# Altium PCB HW_PROCESSOR_BOARD_R1.PcbDoc (part 2 of 2)
Units mm, origin at the board's own origin, x right, y up, seen from the top; angles counter-clockwise.
Board outline 100 x 50 mm, 6 copper layers (Top Layer, Layer 1, Layer 2, Layer 3, Layer 4, Bottom Layer), stack 2.012 mm thick; 151 components, 129 nets, 623 pads, 281 vias.
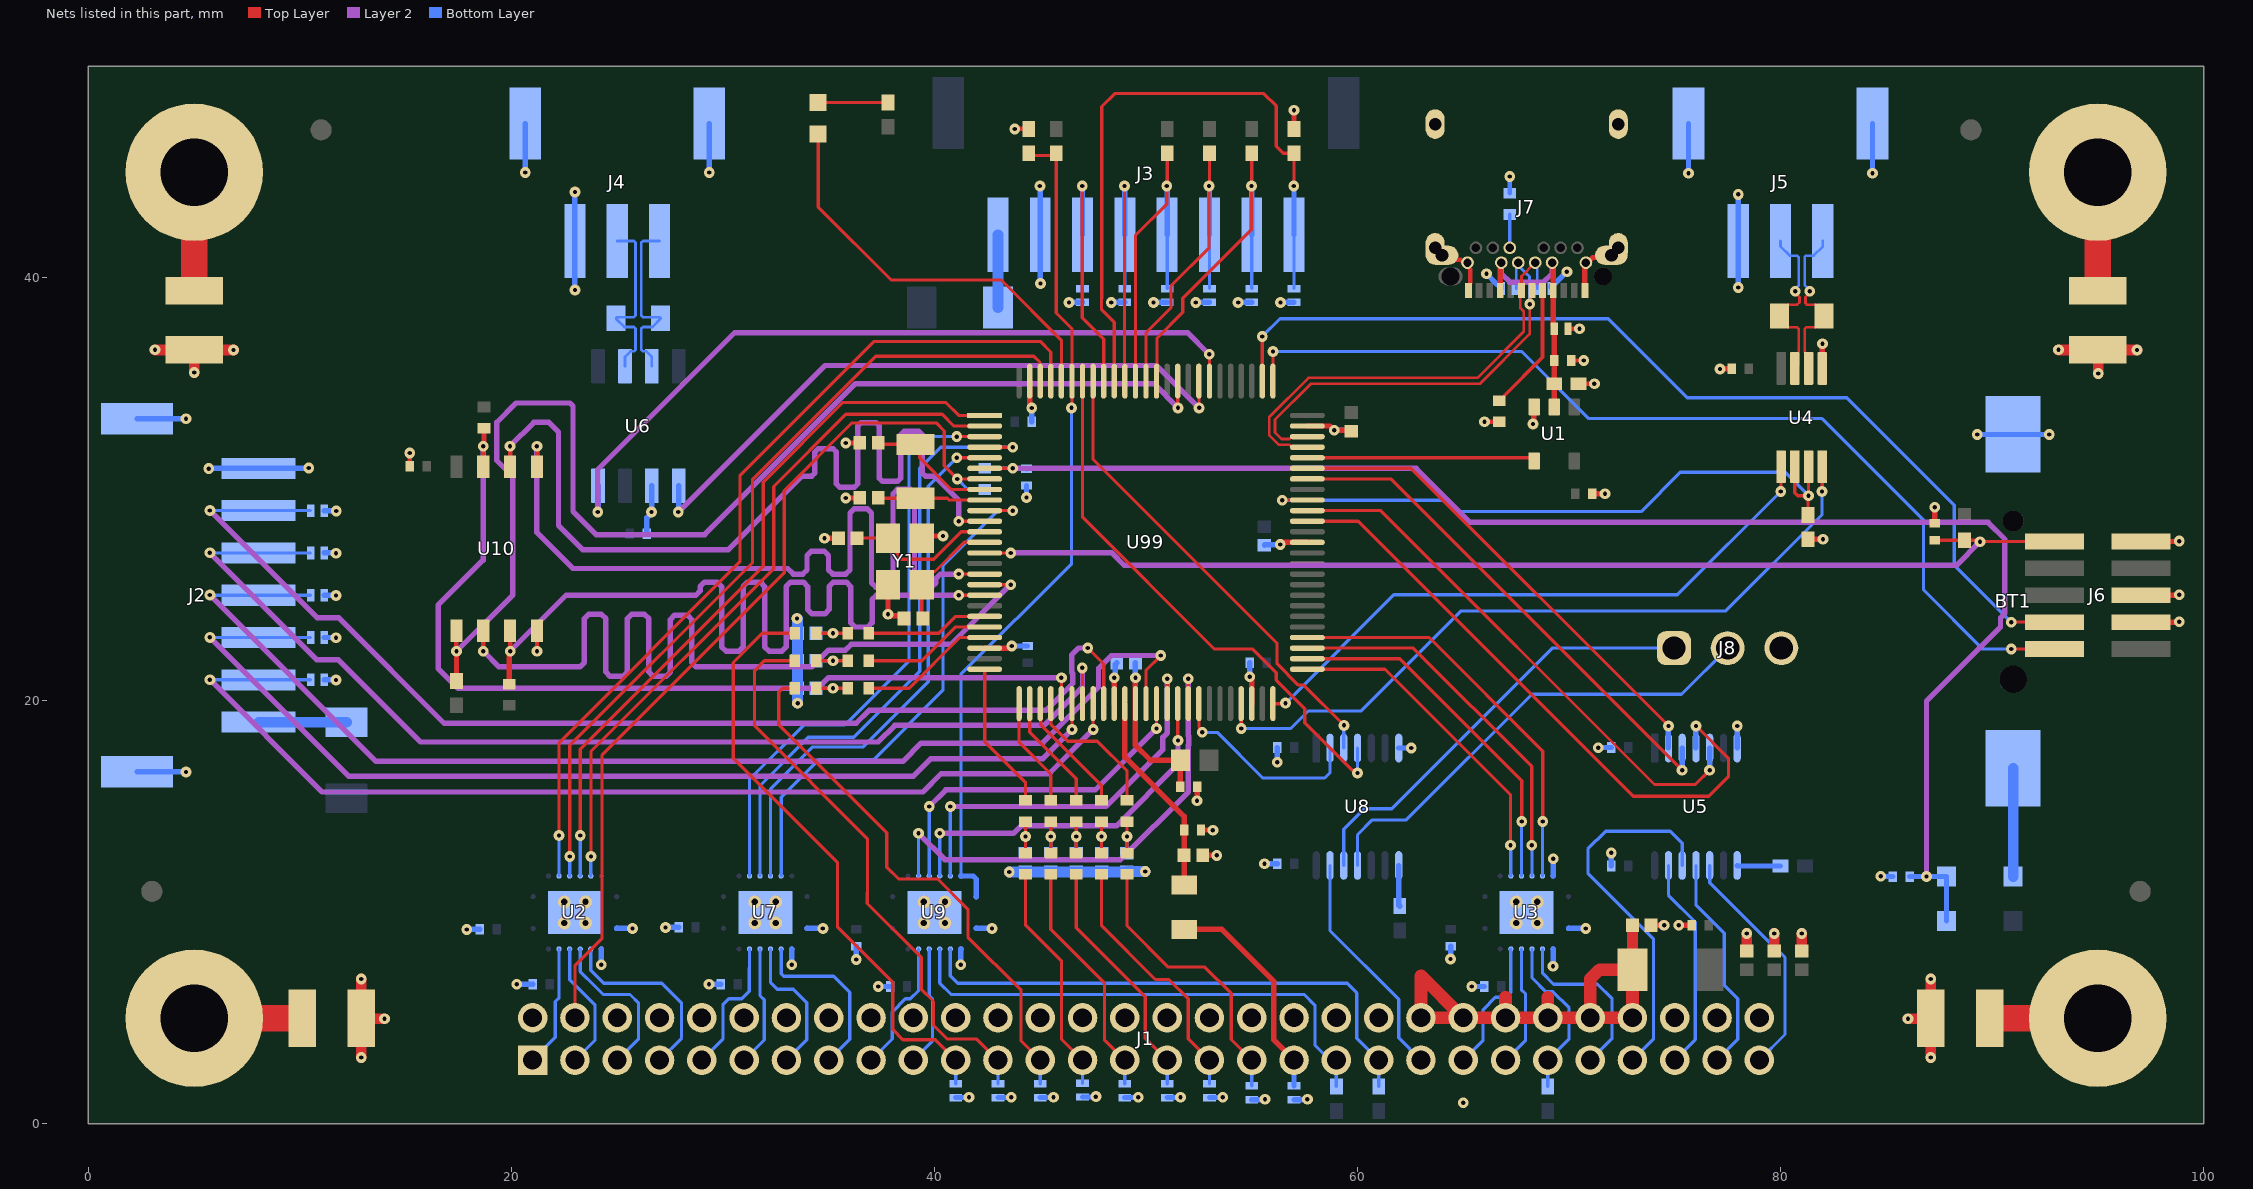
[diagram p6: the nets of this part, all layers, seen from the top]

## Via types
v1: diameter 0.508, hole 0.203, Top Layer to Bottom Layer, tented both sides, 265 vias
v2: diameter 0.6, hole 0.3, Top Layer to Bottom Layer, 16 vias

## Nets (pads, with @x,y where several pads share a name; then routed paths per layer and width w, separated by ;. In a path a pad name is that pad's centre, name@x,y a point inside that pad or via, vN(x,y) a via of type N, cw(c..) or ccw(c..) an arc to the next point about the centre after c; other vN are vias at no path point) (continued)
ADC_IN_1: D14.2 J1.21 R13.1 | length 28.7
  Top Layer w0.152: R13.1@33.4,23.2 31.861,23.2 30.48,21.819 30.48,17.297 35.408,12.37 35.408,9.326 38.024,6.71 38.024,4.47 38.506,3.988 40.031,3.988 J1.21@41,3.019
  Bottom Layer w0.152: D14.2@41,1.9 J1.21@41,3.019
ADC_IN_1_uC: R14.2 U99.20 | length 5.8
  Top Layer w0.152: R14.2@36.9,23.2 40.2,23.2 41,24 U99.20@42.375,24
ADC_IN_2: D15.2 J1.23 R15.1 | length 27.2
  Top Layer w0.152: R15.1@33.4,21.9 31.958,21.9 31.496,21.438 31.496,18.821 36.83,13.487 36.83,10.954 36.82,10.944 36.82,10.424 39.37,7.874 39.37,6.375 39.954,5.791 39.954,4.674 40.615,4.013 42.006,4.013 J1.23@43,3.019
  Bottom Layer w0.152: D15.2@43,1.9 J1.23@43,3.019
ADC_IN_2_uC: R16.2 U99.21 | length 6.1
  Top Layer w0.152: R16.2@36.9,21.9 39.4,21.9 41,23.5 U99.21@42.375,23.5
ADC_IN_3: D16.2 J1.25 R17.1 | length 25.6
  Top Layer w0.152: R17.1@33.4,20.6 32.817,20.6 32.639,20.422 32.639,18.872 37.744,13.767 37.744,12.141 38.303,11.582 40.157,11.582 41.58,10.16 41.58,8.839 44.094,6.325 44.094,3.925 J1.25@45,3.019
  Bottom Layer w0.152: D16.2@45,1.9 J1.25@45,3.019
ADC_IN_3_uC: R18.2 U99.22 | length 6.5
  Top Layer w0.152: R18.2@36.9,20.6 38.8,20.6 41.2,23 U99.22@42.375,23
ADC_IN_4: D17.2 J1.27 R19.1 | length 11
  Top Layer w0.152: R19.1@44.3,11.8 44.3,9.421 45.999,7.722 45.999,4.02 J1.27@47,3.019
  Bottom Layer w0.152: D17.2@47,1.925 J1.27@47,3.019
ADC_IN_4_uC: R20.2 U99.25 | length 7
  Top Layer w0.152: U99.25@42.375,21.5 42.375,18.082 44.3,16.157 R20.2@44.3,15.3
ADC_IN_5: D18.2 J1.29 R21.1 | length 11.3
  Top Layer w0.152: R21.1@45.5,11.8 45.5,9.212 48.031,6.68 48.031,3.988 J1.29@49,3.019
  Bottom Layer w0.152: D18.2@49,1.9 J1.29@49,3.019
ADC_IN_5_uC: R22.2 U99.26 | length 5.2
  Top Layer w0.152: U99.26@44,19.875 44,18.048 45.5,16.548 R22.2@45.5,15.3
ADC_IN_6: D19.2 J1.31 R23.1 | length 11.7
  Top Layer w0.152: R23.1@46.7,11.8 46.7,9.282 49.962,6.02 49.962,4.058 J1.31@51,3.019
  Bottom Layer w0.152: D19.2@51,1.9 J1.31@51,3.019
ADC_IN_6_uC: R24.2 U99.27 | length 5.5
  Top Layer w0.152: U99.27@44.5,19.875 44.5,18.522 46.7,16.322 R24.2@46.7,15.3
ADC_IN_7: D20.2 J1.33 R25.1 | length 12.4
  Top Layer w0.152: R25.1@47.9,11.8 47.9,9.377 50.444,6.833 51.079,6.833 51.994,5.918 51.994,4.025 J1.33@53,3.019
  Bottom Layer w0.152: D20.2@53,1.9 J1.33@53,3.019
ADC_IN_7_uC: R26.2 U99.28 | length 5.8
  Top Layer w0.152: U99.28@45,19.875 45.019,19.855 45.019,18.881 47.9,16 R26.2@47.9,15.3
ADC_IN_8: D21.2 J1.35 R27.1 | length 13.5
  Top Layer w0.152: R27.1@49.1,11.8 49.1,9.371 51.054,7.417 52.781,7.417 54.026,6.172 54.026,3.993 J1.35@55,3.019
  Bottom Layer w0.152: D21.2@55,1.8 J1.35@55,3.019
ADC_IN_8_uC: R28.2 U99.29 | length 6.9
  Top Layer w0.152: U99.29@45.5,19.875 45.5,18.9 46.3,18.1 47.7,18.1 49.1,16.7 R28.2@49.1,15.3
ADC_REF_IN: D12.2 J1.37 R3.1 | length 10.6
  Top Layer w0.254: R3.1@51.8,9.2 53.589,9.2 56.032,6.756 56.032,3.987 J1.37@57,3.019
  Bottom Layer w0.254: D12.2@57,1.8 J1.37@57,3.019
ALIVE_LED: D13.2 U99.96 | length 19.5
  Top Layer w0.152: 34.495,45.802 34.5,45.807 ; D13.2@34.5,46.8 34.5,45.807 ; U99.96@46,35.125 46,37.058 43.155,39.903 37.948,39.903 34.5,43.351 34.5,45.807
BOOT0: R5.2 R6.1 U9.7 U9.8 U99.95 | length 39.6
  Top Layer w0.152: R6.1@44.406,45.747 44.456,45.797 R5.2@45.756,45.797 ; R5.2@45.756,45.9 R5.2@45.756,45.797 ; v1(46.482,33.858) 46.5,33.876 U99.95@46.5,35.125 46.5,37.6 45.756,38.344 R5.2@45.756,45.797
  Bottom Layer w0.152: U9.7@41.25,11.725 41.25,21.26 46.482,26.492 v1(46.482,33.858)
  Bottom Layer w0.254: U9.7@41.25,11.725 41.826,11.725 41.975,11.576 U9.8@41.975,10.75
CAN1_RX: U6.4 U99.82 | length 36.5
  Top Layer w0.152: U99.82@53,35.125 v1@53,36.382
  Layer 2 w0.254: v1(24.079,28.931) 24.079,30.937 30.556,37.414 51.967,37.414 v1(52.989,36.393)
  Bottom Layer w0.254: v1(24.079,28.931) 24.095,28.946 U6.4@24.095,30.175
CAN1_TX: U6.1 U99.83 | length 30.8
  Top Layer w0.152: v1@52.5,33.869 U99.83@52.5,35.125
  Layer 2 w0.254: v1(27.889,28.931) 34.823,35.865 50.505,35.865 v1(52.511,33.858)
  Bottom Layer w0.254: v1(27.889,28.931) 27.905,28.946 U6.1@27.905,30.175
CAN_N: J4.2 R1.2 U6.6 | length 8.5
  Bottom Layer w0.127: J4.2@25,41.75 25.786,41.75 25.86,41.676 25.86,39.926 25.86,38.224 25.786,38.15 25,38.15 R1.2@24.95,38.1 24.95,38.072 25.337,37.685 25.786,37.685 25.86,37.611 25.86,36.607 25.786,36.532 25.626,36.532 25.365,36.271 U6.6@25.365,35.825
CAN_P: J4.1 R1.1 U6.7 | length 8.5
  Bottom Layer w0.127: U6.7@26.635,35.825 26.635,36.271 26.373,36.532 26.214,36.532 26.14,36.607 26.14,37.611 26.214,37.685 26.663,37.685 27.05,38.072 R1.1@27.05,38.1 27,38.15 26.214,38.15 26.14,38.224 26.14,39.81 26.14,41.676 26.214,41.75 J4.1@27,41.75
CENTER: D4.2 J2.3 U99.31 | length 50.4
  Top Layer w0.152: v1(46.5,18.649) U99.31@46.5,19.875
  Layer 2 w0.254: v1(5.74,23.007) 12.313,16.434 38.989,16.434 39.827,17.272 45.123,17.272 v1(46.5,18.649)
  Bottom Layer w0.152: v1(5.74,23.007) 5.747,23 J2.3@8.05,23 D4.2@10.5,23
DOWN: D2.2 J2.5 U99.32 | length 53.4
  Top Layer w0.152: v1(46.99,21.565) 47,21.555 U99.32@47,19.875
  Layer 2 w0.254: v1(5.74,27.007) 10.802,21.946 11.811,21.946 15.697,18.059 37.338,18.059 38.125,18.847 45.187,18.847 47,20.66 47,21.555 v1(46.99,21.565)
  Bottom Layer w0.152: v1(5.74,27.007) 5.747,27 J2.5@8.05,27 D2.2@10.5,27
GND: BT1.N C1.1 C2.1 C3.1 C4.1 C5.1 C6.1 C7.1 C8.1 C9.1 C10.1 C11.1 C12.1 C13.1 C14.1 C15.1 C16.1 C17.2 C18.2 C19.1 C20.1 C21.1 C22.1 C23.1 C24.1 C25.1 C26.1 C27.1 C28.1 C29.1 C30.1 C31.1 C32.1 C33.1 C34.1 C35.1 C36.1 C37.1 C38.1 C39.1 C40.1 C41.1 C42.1 C43.1 C44.2 C45.2 C46.1 C47.1 C107.2 C108.2 C109.2 C110.2 D1.1 D2.1 D3.1 D4.1 D5.1 D6.1 D7.1 D8.1 D9.1 D10.1 D11.1 D12.1 D14.1 D15.1 D16.1 D17.1 D18.1 D19.1 D20.1 D21.1 D22.1 D23.1 D24.1 J1.02 J1.06 J1.08 J1.10 J1.12 J1.14 J1.16 J1.18 J1.20 J1.22 J1.24 J1.26 J1.28 J1.30 J1.32 J1.34 J1.36 J1.38 J1.40 J1.42 J1.56 J1.58 J1.60 J2.7 J2.8 J2.9 J3.2 J4.3 J4.4 J4.5 J5.3 J5.4 J5.5 J6.3 J6.5 J6.9 J7.A1 J7.A12 J7.B1 J7.B12 J7.S J8.3 R6.2 R11.2 R30.1 R35.2 R36.1 R37.1 U1.3 U2.9 U2.10 U2.17 U3.7 U3.9 U3.10 U3.17 U4.5 U5.7 U6.2 U7.9 U7.10 U7.17 U8.7 U9.9 U9.10 U9.17 U10.4 U99.23 U99.35 U99.48 U99.63 U99.74 U99.99 Y1.2 Y1.4 | length 145.6
  Top Layer w0.203: v1(15.189,31.725) 15.195,31.719 15.195,31.105 C46.1@15.2,31.1 ; U10.4@21.205,23.325 21.205,22.356 v1(21.209,22.352) ; v1(43.79,47.041) 43.799,47.05 R6.2@44.456,47.05 ; J7.S@63.67,41.425 63.67,41.364 63.992,41.042 64.028,41.042 64.214,40.856 64.873,40.856 64.928,40.801 65.124,40.801 J7.B1@65.2,40.725 65.276,40.649 65.276,40.453 65.331,40.398 65.331,39.752 65.308,39.729 65.308,39.473 J7.A12@65.25,39.415 ; v1(66,33.2) R37.1@66.7,33.2 ; D22.1@69.95,37.6 v1(70.5,37.6) ; C41.1@70.1,36.1 v1(70.7,36.1) ; R35.2@70.45,35 v1(71.2,35)
  Top Layer w0.254: v1(34.8,27.7) C44.2@35.46,27.7 ; v1(35.8,29.6) C18.2@36.46,29.6 ; v1(35.8,32.2) C17.2@36.46,32.2 ; Y1.4@37.8,25.5 v1(37.8,24.1) 37.869,24.1 37.934,24.035 38.425,24.035 C45.2@38.56,23.9 ; Y1.2@39.4,27.7 39.5,27.8 v1(40.4,27.8) ; U99.23@42.375,22.5 v1@43.549,22.5 ; v1@44.5,33.951 U99.99@44.5,35.125 ; U99.35@48.5,19.875 v1(48.5,21.1) ; v1(52.411,15.289) 52.418,15.296 52.418,15.943 C12.1@52.424,15.95 ; C14.1@52.6,13.9 53.156,13.9 v1(53.162,13.894) ; C15.1@52.68,12.7 v1(53.34,12.7) ; U99.48@55,19.875 v1@55,21.049 ; v1@56.451,27.5 U99.63@57.625,27.5 ; v1(56.997,47.93) 57,47.926 R11.2@57,47.05 ; U99.74@57.625,33 58.7,33 v1(58.9,32.8) 59.66,32.8 C11.1@59.7,32.76 ; v1(68.3,33.1) 68.325,33.125 68.325,33.875 U1.3@68.35,33.9 ; J7.A1@70.75,39.415 70.75,40.675 J7.B12@70.8,40.725 70.881,40.725 71.122,40.966 71.896,40.966 J7.S@72.005,41.075 ; C42.1@71.1,29.8 v1(71.7,29.8) ; C1.1@73.88,9.4 v1@74.494,9.4 ; v1@75.186,9.4 C3.1@75.8,9.4 ; v1(77.136,35.697) 77.139,35.7 C36.1@77.7,35.7 ; R30.1@81.3,27.65 82.008,27.65 v1(82.013,27.645) ; U4.5@81.975,35.725 81.975,36.878 v1(81.987,36.89) ; v1(87.297,29.165) 87.3,29.162 C16.1@87.3,28.4 ; J6.3@97.035,23.73 98.838,23.73 v1(98.857,23.749) ; J6.5@97.035,25 98.838,25 v1(98.857,25.019) ; J6.9@97.035,27.54 98.838,27.54 v1(98.857,27.559)
  Top Layer w0.508: v1(3.142,36.601) 3.143,36.6 C108.2@5,36.6 ; v1(5.004,35.535) 5.004,36.596 C108.2@5,36.6 ; v1(6.858,36.599) 6.857,36.6 C108.2@5,36.6 ; v1(12.899,3.142) 12.9,3.143 C110.2@12.9,5 ; v1(12.901,6.858) 12.9,6.857 C110.2@12.9,5 ; v1(13.995,4.978) 12.922,4.978 C110.2@12.9,5 ; v1@74.494,9.4 v1(74.496,9.402) ; v1(75.184,9.398) v1@75.186,9.4 ; C2.1@78.4,8.18 v1@78.4,9.002 ; C4.1@79.7,8.18 v1@79.7,9.002 ; C5.1@81,8.18 v1@81,9.002 ; v1(86.03,4.978) 87.078,4.978 C109.2@87.1,5 ; v1(87.099,3.142) 87.1,3.143 C109.2@87.1,5 ; v1(87.101,6.858) v1(87.101,6.858) C109.2@87.1,5 ; v1(93.142,36.601) 93.143,36.6 C107.2@95,36.6 95.057,36.6 96.857,36.6 v1(96.858,36.599) ; v1(95.021,35.484) 95.021,36.534 C107.2@95.072,36.585
  Top Layer w1.27: C107.2@95.057,36.6 C107.2@95.072,36.585
  Bottom Layer w0.152: v1@4.603,16.65 v1(4.61,16.643) ; v1@4.603,33.35 v1(4.61,33.343)
  Bottom Layer w0.203: R36.1@67.2,44 v1(67.2,44.8)
  Bottom Layer w0.254: J2.9@2.3,16.65 v1@4.603,16.65 ; J2.8@2.3,33.35 v1@4.603,33.35 ; v1(5.686,30.987) 5.699,31 J2.7@8.05,31 10.401,31 v1(10.414,31.013) ; D5.1@11.15,21 11.691,21 v1(11.7,20.991) ; D4.1@11.15,23 11.691,23 v1(11.7,22.991) ; D3.1@11.15,25 11.691,25 v1(11.7,24.991) ; D2.1@11.15,27 11.691,27 v1(11.7,26.991) ; D1.1@11.15,29 11.159,28.991 11.7,28.991 v1(11.709,28.981) ; v1(17.882,9.195) 17.887,9.2 C27.1@18.5,9.2 ; v1(20.252,6.604) 20.257,6.6 C28.1@21,6.6 ; v1(20.65,44.983) J4.5@20.65,47.3 ; v1(23,39.433) J4.3@23,41.75 v1(23,44.067) ; v1(24.246,7.527) 24.25,7.532 U2.10@24.25,8.275 ; U2.9@24.975,9.25 25.718,9.25 v1(25.723,9.246) ; C33.1@26.4,27.9 26.4,28.655 26.619,28.874 v1(26.619,28.931) 26.635,28.946 U6.2@26.635,30.175 ; v1(27.282,9.295) 27.287,9.3 C34.1@27.9,9.3 ; v1(29.337,6.604) 29.339,6.602 29.898,6.602 C35.1@29.9,6.6 ; v1(29.35,44.983) J4.4@29.35,47.3 ; v1(33.246,7.527) 33.25,7.532 U7.10@33.25,8.275 ; U7.9@33.975,9.25 34.718,9.25 v1(34.723,9.246) ; C39.1@36.3,8.4 36.3,7.787 v1(36.305,7.782) ; v1(37.338,6.502) 37.339,6.501 37.899,6.501 C40.1@37.9,6.5 ; D14.1@41,1.25 41.611,1.25 v1(41.631,1.27) ; v1(41.246,7.527) 41.25,7.532 U9.10@41.25,8.275 ; U9.9@41.975,9.25 42.718,9.25 v1(42.723,9.246) ; D15.1@43,1.25 43.611,1.25 v1(43.631,1.27) ; v1(43.649,22.6) C8.1@44.4,22.6 ; v1(44.348,29.616) C47.1@44.348,30.188 ; C10.1@44.6,33.2 v1(44.6,33.851) ; v1(44.983,44.348) 45,44.332 J3.2@45,42.045 45,39.758 v1(45.017,39.741) ; D16.1@45,1.25 45.611,1.25 v1(45.631,1.27) ; v1(46.355,38.837) 46.368,38.85 D6.1@47,38.85 ; D17.1@47,1.275 47.611,1.275 v1(47.631,1.295) ; v1(48.355,38.837) 48.368,38.85 D7.1@49,38.85 ; v1(48.5,21.1) 48.549,21.149 48.549,21.729 C13.1@48.62,21.8 ; D18.1@49,1.25 49.611,1.25 v1(49.631,1.27) ; v1(50.355,38.837) 50.368,38.85 D8.1@51,38.85 ; D19.1@51,1.25 51.611,1.25 v1(51.631,1.27) ; v1(52.355,38.837) 52.368,38.85 D9.1@53,38.85 ; D20.1@53,1.25 53.611,1.25 v1(53.631,1.27) ; v1(54.355,38.837) 54.368,38.85 D10.1@55,38.85 ; v1(54.9,21.149) C9.1@54.9,21.8 ; D21.1@55,1.15 55.611,1.15 v1(55.631,1.17) ; C6.1@55.6,27.36 55.62,27.38 56.331,27.38 v1(56.351,27.4) ; v1(55.605,12.302) 55.607,12.3 C38.1@56.2,12.3 ; v1(56.2,17.1) C37.1@56.2,17.8 ; v1(56.355,38.837) 56.368,38.85 D11.1@57,38.85 ; D12.1@57,1.15 57.611,1.15 v1(57.631,1.17) ; v1(58.9,32.8) C7.1@59.7,32.8 ; U8.7@61.95,17.775 62.543,17.775 v1(62.545,17.773) ; v1(64.398,7.805) 64.4,7.807 C29.1@64.4,8.4 ; v1(65.405,6.502) 65.407,6.5 C30.1@66,6.5 ; v1(66.1,40.2) 66.627,39.673 66.752,39.673 66.8,39.625 D23.1@66.8,39.5 ; D24.1@69.15,39.55 69.15,39.625 69.198,39.673 69.273,39.673 v1(69.9,40.3) ; v1(69.246,7.46) 69.25,7.465 U3.10@69.25,8.275 ; U3.7@69.25,11.725 69.25,12.535 v1(69.254,12.54) ; U3.9@69.975,9.25 70.785,9.25 v1(70.79,9.246) ; v1(71.382,17.795) 71.387,17.8 C31.1@72,17.8 ; v1(71.995,12.818) 72,12.813 C32.1@72,12.2 ; v1(75.65,44.956) J5.5@75.65,47.3 ; U5.7@77.95,17.775 77.95,18.819 v1(77.953,18.821) ; v1(77.997,43.952) 78,43.949 J5.3@78,41.75 78,39.551 v1(78.003,39.548) ; v1(84.35,44.956) J5.4@84.35,47.3 ; v1(84.734,11.709) 84.739,11.705 85.295,11.705 C43.1@85.3,11.7 ; v1(89.3,32.6) v1(92.7,32.6)
  Bottom Layer w0.508: v1(33.503,23.901) 33.52,23.884 C19.1@33.52,23.2 C20.1@33.52,21.9 C21.1@33.52,20.6 33.52,19.896 v1(33.528,19.888) ; v1(43.536,11.913) 43.543,11.92 C22.1@44.3,11.92 C23.1@45.5,11.92 C24.1@46.7,11.92 C25.1@47.9,11.92 C26.1@49.1,11.92 49.118,11.938 v1(49.962,11.938)
  other v1: 65,1 78.399,9.003 79.699,9.003 80.999,9.003
  other v2: 22.5,9.5 23.5,9.5 31.5,9.5 32.5,9.5 39.5,9.5 40.5,9.5 67.5,9.5 68.5,9.5 22.5,10.5 23.5,10.5 31.5,10.5 32.5,10.5 39.5,10.5 40.5,10.5 67.5,10.5 68.5,10.5
I2C2_SCL: J1.55 U5.13 | length 10.1
  Bottom Layer w0.152: U5.13@74.7,12.225 74.7,10.822 75.971,9.55 75.971,3.991 J1.55@75,3.019
I2C2_SCL_uC: U5.2 U99.70 | length 23.2
  Top Layer w0.152: U99.70@57.625,31 62.524,31 v1(74.703,18.821)
  Bottom Layer w0.254: U5.2@74.7,17.775 74.7,18.819 v1(74.703,18.821)
I2C2_SDA: J1.53 U5.12 | length 17.8
  Bottom Layer w0.152: J1.53@73,3.019 73.99,4.01 73.99,8.763 70.891,11.862 70.891,13.005 71.73,13.843 74.778,13.843 75.35,13.271 U5.12@75.35,12.225
I2C2_SDA_uC: U5.3 U99.69 | length 24.5
  Top Layer w0.152: U99.69@57.625,30.5 61.577,30.5 v1(75.347,16.729)
  Bottom Layer w0.254: v1(75.347,16.729) 75.35,16.732 U5.3@75.35,17.775
I2C4_SCL: J1.57 U5.11 | length 10.4
  Bottom Layer w0.152: U5.11@76,12.225 76,10.36 77.343,9.017 77.343,6.553 77.978,5.918 77.978,3.997 J1.57@77,3.019
I2C4_SCL_uC: U5.4 U99.65 | length 29.8
  Top Layer w0.152: U99.65@57.625,28.5 60.03,28.5 73.036,15.494 76.606,15.494 77.546,16.434 77.546,17.278 v1(76.003,18.821) v1@76,18.819
  Bottom Layer w0.254: U5.4@76,17.775 76,18.819 v1(76.003,18.821)
I2C4_SDA: J1.59 U5.10 | length 11.2
  Bottom Layer w0.152: U5.10@76.65,12.225 76.65,11.406 79.51,8.546 79.541,8.546 80.213,7.874 80.213,4.233 J1.59@79,3.019
I2C4_SDA_uC: U5.5 U99.66 | length 25.7
  Top Layer w0.152: U99.66@57.625,29 61.094,29 74.041,16.053 75.971,16.053 v1(76.647,16.729)
  Bottom Layer w0.254: v1(76.647,16.729) 76.65,16.732 U5.5@76.65,17.775
IO_1: J1.01 U2.14 | length 5.8
  Bottom Layer w0.152: J1.01@21,3.019 22.073,4.092 22.073,5.791 22.25,5.969 U2.14@22.25,8.275
IO_1_uC: U2.3 U99.97 | length 41.4
  Top Layer w0.152: v1(22.25,13.64) 22.25,18.034 30.8,26.584 30.8,30.648 37.152,37 45,37 45.5,36.5 U99.97@45.5,35.125
  Bottom Layer w0.152: U2.3@22.25,11.725 v1(22.25,13.64)
IO_2: J1.03 U2.13 | length 6.1
  Bottom Layer w0.152: U2.13@22.75,8.275 22.75,6.816 23.952,5.613 23.952,3.972 J1.03@23,3.019
IO_2_uC: U2.4 U99.98 | length 39.4
  Top Layer w0.152: v1(22.758,12.649) 22.758,17.907 31.4,26.549 31.4,30.486 37.214,36.3 44.7,36.3 44.988,36.012 44.988,35.137 U99.98@45,35.125
  Bottom Layer w0.152: U2.4@22.75,11.725 22.75,12.641 v1(22.758,12.649)
IO_3: J1.05 U2.12 | length 7.6
  Bottom Layer w0.152: U2.12@23.25,8.275 23.25,7.205 23.952,6.502 24.333,6.121 25.603,6.121 26.01,5.715 26.01,4.029 J1.05@25,3.019
IO_3_uC: U2.5 U99.1 | length 34.5
  Top Layer w0.152: v1(23.25,13.64) 23.25,17.713 31.9,26.363 31.9,30.351 35.662,34.112 40.538,34.112 41.15,33.5 U99.1@42.375,33.5
  Bottom Layer w0.152: U2.5@23.25,11.725 v1(23.25,13.64)
IO_4: J1.07 U2.11 | length 9.1
  Bottom Layer w0.152: U2.11@23.75,8.275 23.75,7.263 24.359,6.655 27.102,6.655 28.042,5.715 28.042,4.061 J1.07@27,3.019
IO_4_uC: U2.6 U99.2 | length 33.6
  Top Layer w0.152: v1(23.758,12.649) 23.758,17.615 32.4,26.256 32.4,30.139 35.814,33.553 40.361,33.553 40.914,33 U99.2@42.375,33
  Bottom Layer w0.152: U2.6@23.75,11.725 23.75,12.641 v1(23.758,12.649)
IO_5: J1.09 U7.14 | length 6.5
  Bottom Layer w0.152: J1.09@29,3.019 29.997,4.017 29.997,5.639 30.28,5.921 30.889,5.921 31.242,6.274 31.242,7.366 31.25,7.374 U7.14@31.25,8.275
IO_5_uC: U7.3 U99.3 | length 28.3
  Top Layer w0.152: v1(41.049,32.5) U99.3@42.375,32.5
  Bottom Layer w0.152: U7.3@31.25,11.725 31.25,16.289 33.833,18.872 35.772,18.872 38.8,21.9 38.8,31.9 39.4,32.5 v1(41.049,32.5)
IO_6: J1.11 U7.13 | length 5.7
  Bottom Layer w0.152: J1.11@31,3.019 31.953,3.973 31.953,5.867 31.75,6.071 U7.13@31.75,8.275
IO_6_uC: U7.4 U99.4 | length 29.8
  Top Layer w0.152: U99.4@42.375,32 v1(43.7,32)
  Bottom Layer w0.152: U7.4@31.75,11.725 31.75,16.002 34.036,18.288 36.188,18.288 39.3,21.4 39.3,31 40.3,32 v1(43.7,32)
IO_7: J1.13 U7.12 | length 6.8
  Bottom Layer w0.152: U7.12@32.25,8.275 32.25,6.688 32.563,6.375 33.325,6.375 33.96,5.74 33.96,3.979 J1.13@33,3.019
IO_7_uC: U7.5 U99.5 | length 26.1
  Top Layer w0.152: v1(41.049,31.5) U99.5@42.375,31.5
  Bottom Layer w0.152: U7.5@32.25,11.725 32.25,15.842 34.239,17.831 36.631,17.831 39.7,20.9 39.7,30.151 v1(41.049,31.5)
IO_8: J1.15 U7.11 | length 8.4
  Bottom Layer w0.152: U7.11@32.75,8.275 32.75,7.103 32.868,6.985 35.23,6.985 35.992,6.223 35.992,4.011 J1.15@35,3.019
IO_8_uC: U7.6 U99.10 | length 25.1
  Top Layer w0.152: U99.10@42.375,29 v1(43.7,29)
  Bottom Layer w0.152: U7.6@32.75,11.725 32.75,15.453 34.519,17.221 37.121,17.221 40.4,20.5 40.4,26.4 43,29 v1(43.7,29)
IO_9: J1.17 U9.14 | length 6.3
  Bottom Layer w0.152: J1.17@37,3.019 37.998,4.018 37.998,5.293 38.627,5.921 38.858,5.921 39.25,6.313 U9.14@39.25,8.275
IO_9_uC: U9.3 U99.42 | length 23.2
  Top Layer w0.152: U99.42@52,19.875 v1(52,21.049)
  Layer 2 w0.254: v1(39.243,13.741) 40.488,12.497 48.797,12.497 52,15.7 52,17.906 52.019,17.925 52.019,18.346 52,18.365 v1(52,21.049)
  Bottom Layer w0.152: v1(39.243,13.741) 39.25,13.734 U9.3@39.25,11.725
IO_10: J1.19 U9.13 | length 5.7
  Bottom Layer w0.152: J1.19@39,3.019 39.902,3.921 39.902,5.92 39.75,6.072 U9.13@39.75,8.275
IO_10_uC: U9.4 U99.39 | length 16.7
  Top Layer w0.152: v1(50.5,18.7) U99.39@50.5,19.875
  Layer 2 w0.254: v1(39.751,15.011) 40.54,15.8 47.6,15.8 v1(50.5,18.7)
  Bottom Layer w0.152: U9.4@39.75,11.725 v1(39.751,15.011) ; v1(39.751,15.011) v1(39.751,15.011)
IO_11: J1.39 R33.1 U9.12 | length 24.2
  Bottom Layer w0.152: U9.12@40.25,8.275 40.25,6.664 40.792,6.121 57.48,6.121 57.988,5.613 57.988,3.734 58.703,3.019 J1.39@59,3.019 R33.1@59,1.769
IO_11_uC: U9.5 U99.41 | length 17.5
  Top Layer w0.152: U99.41@51.5,19.875 51.5,18.147 v1(51.511,18.136)
  Layer 2 w0.254: v1(40.243,13.741) 43.732,13.741 44.088,14.097 48.597,14.097 51.511,17.011 v1(51.511,18.136)
  Bottom Layer w0.152: v1(40.243,13.741) 40.25,13.734 U9.5@40.25,11.725
IO_12: J1.41 R34.1 U9.11 | length 25.7
  Bottom Layer w0.152: U9.11@40.75,8.275 40.75,7.002 41.097,6.655 59.512,6.655 59.969,6.198 59.969,4.05 J1.41@61,3.019 R34.1@61,1.769
IO_12_uC: U9.6 U99.40 | length 19.1
  Top Layer w0.152: U99.40@51,19.875 v1(51,21.049)
  Layer 2 w0.254: v1(40.751,15.011) 48.111,15.011 50.8,17.7 50.8,18.282 51.008,18.49 v1@51.008,21.041
  Bottom Layer w0.152: U9.6@40.75,11.725 v1(40.751,15.011) v1(40.751,15.011)
IO_13: J1.43 U8.13 | length 11
  Bottom Layer w0.152: U8.13@58.7,12.225 58.7,9.143 61.951,5.893 61.951,4.069 J1.43@63,3.019
IO_13_uC: U8.2 U99.43 | length 9.6
  Top Layer w0.152: U99.43@52.5,19.875 52.5,18.767 52.654,18.613 v1(52.654,18.517)
  Bottom Layer w0.152: v1(52.654,18.517) 53.365,18.517 55.524,16.358 58.445,16.358 58.7,16.612 U8.2@58.7,17.775
IO_14: J1.45 U3.14 | length 6.5
  Bottom Layer w0.152: J1.45@65,3.019 65.938,3.958 65.938,5.41 66.523,5.994 67.031,5.994 67.083,6.047 ; 67.084,6.047 67.25,6.213 U3.14@67.25,8.275
IO_14_uC: U3.3 U99.51 | length 15.9
  Top Layer w0.152: U99.51@57.625,21.5 61.3,21.5 67.234,15.566 v1(67.234,13.183)
  Bottom Layer w0.152: v1(67.234,13.183) 67.25,13.166 U3.3@67.25,11.725
LCD_BL: D11.2 J3.8 R11.1 U99.91 | length 31.3
  Top Layer w0.152: U99.91@48.5,35.125 48.5,37.9 47.898,38.502 47.898,39.026 47.904,39.033 47.904,48.108 48.514,48.717 55.575,48.717 56.159,48.133 56.159,46.228 56.487,45.9 R11.1@57,45.9 57,44.365 v1(56.983,44.348)
  Bottom Layer w0.152: D11.2@57,39.5 J3.8@57,42.045
  Bottom Layer w0.254: v1(56.983,44.348) 57,44.332 J3.8@57,42.045
LCD_CSn: D8.2 J3.5 R8.2 U99.89 | length 16.3
  Top Layer w0.152: U99.89@49.5,35.125 49.5,42.007 50.983,43.49 v1(50.983,44.348) 51,44.365 R8.2@51,45.9
  Bottom Layer w0.152: D8.2@51,39.5 J3.5@51,42.045
  Bottom Layer w0.254: v1(50.983,44.348) 51,44.332 J3.5@51,42.045
LCD_DC: D9.2 J3.6 R9.2 U99.88 | length 16.9
  Top Layer w0.152: U99.88@50,35.125 50,37.402 51.181,38.583 51.181,39.624 52.983,41.426 v1(52.983,44.348) 53,44.365 R9.2@53,45.9
  Bottom Layer w0.152: D9.2@53,39.5 J3.6@53,42.045
  Bottom Layer w0.254: v1(52.983,44.348) 53,44.332 J3.6@53,42.045
LCD_MOSI: D6.2 J3.3 U99.92 | length 14.5
  Top Layer w0.152: v1(46.983,44.348) 46.983,38.117 48,37.1 U99.92@48,35.125
  Bottom Layer w0.152: D6.2@47,39.5 J3.3@47,42.045
  Bottom Layer w0.254: v1(46.983,44.348) 47,44.332 J3.3@47,42.045
LCD_RSTn: D10.2 J3.7 R10.2 U99.87 | length 17.5
  Top Layer w0.152: U99.87@50.521,35.125 50.521,37.16 51.74,38.379 51.74,39.04 54.983,42.283 v1(54.983,44.348) 55,44.365 R10.2@55,45.9
  Bottom Layer w0.152: D10.2@55,39.5 J3.7@55,42.045
  Bottom Layer w0.254: v1(54.983,44.348) 55,44.332 J3.7@55,42.045
LCD_SCLK: D7.2 J3.4 U99.90 | length 14.1
  Top Layer w0.152: U99.90@49,35.125 48.983,35.142 v1(48.983,44.348) v1@49,44.365
  Bottom Layer w0.152: D7.2@49,39.5 J3.4@49,42.045
  Bottom Layer w0.254: v1(48.983,44.348) 49,44.332 J3.4@49,42.045
LEFT: D3.2 J2.4 U99.38 | length 58.1
  Top Layer w0.152: U99.38@50,19.875 50,21.45 v1(50.698,22.149)
  Layer 2 w0.254: v1(5.74,25.007) 13.602,17.145 38.506,17.145 39.37,18.009 45.11,18.009 47.752,20.65 47.752,21.539 48.362,22.149 v1(50.698,22.149)
  Bottom Layer w0.152: v1(5.74,25.007) 5.747,25 J2.4@8.05,25 D3.2@10.5,25
NetBT1_P: BT1.P D26.1 | length 5.1
  Bottom Layer w0.508: D26.1@91,11.7 BT1.P@91,16.82
NetC1_2: C1.2 FB2.1 J1.44 J1.46 J1.48 J1.50 J1.52 J1.54 | length 25.2
  Top Layer w0.5: FB2.1@73,7.3 C1.2@73,9.4
  Top Layer w0.6: 67,6 J1.48@67,5.019 ; 69,6 J1.50@69,5.019 ; J1.46@65,5.019 J1.44@63,5.019 63,7 63.019,7 J1.46@65,5.019 ; J1.46@65,5.019 J1.48@67,5.019 ; J1.48@67,5.019 J1.50@69,5.019 ; J1.50@69,5.019 J1.52@71,5.019 ; J1.52@71,5.019 J1.54@73,5.019 FB2.1@73,7.3 71.446,7.3 71,6.854 J1.52@71,5.019
NetC12_2: C12.2 C13.2 FB4.1 U99.37 | length 7.6
  Top Layer w0.254: v1(49.5,21.1) U99.37@49.5,19.875 49.5,17.9 50.2,17.2 FB4.1@51.625,17.2 51.624,17.199 C12.2@51.624,15.95
  Bottom Layer w0.254: v1(49.5,21.1) C13.2@49.5,21.8
NetC14_2: C14.2 C15.2 R3.2 U99.36 | length 9.7
  Top Layer w0.254: U99.36@49,19.875 49,17.345 51.8,14.545 C14.2@51.8,13.9 C15.2@51.8,12.7 R3.2@51.8,11.3
NetC19_2: C19.2 R13.2 R14.1 | length 2.3
  Top Layer w0.152: R13.2@34.4,23.2 v1(35.204,23.199) ; v1(35.204,23.199) R14.1@35.9,23.2
  Bottom Layer w0.152: C19.2@34.4,23.2 v1(35.204,23.199)
NetC20_2: C20.2 R15.2 R16.1 | length 2.3
  Top Layer w0.152: R15.2@34.4,21.9 v1(35.204,21.899) ; v1(35.204,21.899) R16.1@35.9,21.9
  Bottom Layer w0.152: C20.2@34.4,21.9 v1(35.204,21.899)
NetC21_2: C21.2 R17.2 R18.1 | length 2.3
  Top Layer w0.152: R17.2@34.4,20.6 v1(35.204,20.599) ; v1(35.204,20.599) R18.1@35.9,20.6
  Bottom Layer w0.152: C21.2@34.4,20.6 v1(35.204,20.599)
NetC22_2: C22.2 R19.2 R20.1 | length 2.3
  Top Layer w0.152: R19.2@44.3,12.8 44.3,13.587 v1(44.298,13.589) 44.3,13.591 R20.1@44.3,14.3
  Bottom Layer w0.152: v1(44.298,13.589) 44.3,13.587 C22.2@44.3,12.8
NetC23_2: C23.2 R21.2 R22.1 | length 2.3
  Top Layer w0.152: R21.2@45.5,12.8 45.5,13.587 v1(45.498,13.589) 45.5,13.591 R22.1@45.5,14.3
  Bottom Layer w0.152: v1(45.498,13.589) 45.5,13.587 C23.2@45.5,12.8
NetC24_2: C24.2 R23.2 R24.1 | length 2.3
  Top Layer w0.152: R23.2@46.7,12.8 46.7,13.587 v1(46.698,13.589) 46.7,13.591 R24.1@46.7,14.3
  Bottom Layer w0.152: v1(46.698,13.589) 46.7,13.587 C24.2@46.7,12.8
NetC25_2: C25.2 R25.2 R26.1 | length 2.3
  Top Layer w0.152: R25.2@47.9,12.8 v1(47.898,13.589) v1(47.898,13.589) 47.9,13.591 R26.1@47.9,14.3
  Bottom Layer w0.152: v1(47.898,13.589) v1(47.898,13.589) C25.2@47.9,12.8
NetC26_2: C26.2 R27.2 R28.1 | length 2.3
  Top Layer w0.152: R27.2@49.1,12.8 49.1,13.587 v1(49.098,13.589) 49.1,13.591 R28.1@49.1,14.3
  Bottom Layer w0.152: v1(49.098,13.589) 49.1,13.587 C26.2@49.1,12.8
NetC107_1: C107.1 X2.1 | length 5.6
  Top Layer w1.27: C107.1@95,39.4 X2.1@95,45
NetC108_1: C108.1 X4.1 | length 5.6
  Top Layer w1.27: C108.1@5,39.4 X4.1@5,45
NetC109_1: C109.1 X6.1 | length 5.1
  Top Layer w1.27: C109.1@89.9,5 X6.1@95,5
NetC110_1: C110.1 X7.1 | length 5.1
  Top Layer w1.27: X7.1@5,5 C110.1@10.1,5
NetD13_1: D13.1 R12.1 | length 3.3
  Top Layer w0.152: D13.1@34.5,48.3 R12.1@37.8,48.3
NetFB1_1: FB1.1 J2.1 | length 4.2
  Bottom Layer w0.508: J2.1@8.05,19 FB1.1@12.2,19
NetFB3_2: FB3.2 J3.1 | length 3.4
  Bottom Layer w0.508: FB3.2@43,38.6 J3.1@43,42.045
NetJ7_A5: J7.A5 R37.2 | length 6.1
  Top Layer w0.178: R37.2@66.7,34.2 66.75,34.2 66.911,34.361 66.911,34.411 68.75,36.25 J7.A5@68.75,39.415
NetJ7_B5: J7.B5 R36.2 | length 1.6
  Bottom Layer w0.178: J7.B5@67.2,41.425 R36.2@67.2,43
NetR31_2: R31.2 U5.8 | length 2.1
  Bottom Layer w0.254: U5.8@77.95,12.225 77.975,12.2 R31.2@80,12.2
NetR32_2: R32.2 U8.8 | length 1.9
  Bottom Layer w0.254: U8.8@61.95,12.225 61.95,10.35 R32.2@62,10.3
NRST: C16.2 J6.10 R4.2 U99.14 | length 53.5
  Top Layer w0.152: U99.14@42.375,27 v1(43.6,27) ; C16.2@87.3,27.6 R4.2@88.7,27.6 89.367,27.6 v1(89.433,27.534) 89.44,27.54 J6.10@92.965,27.54
  Layer 2 w0.254: v1(43.6,27) 48.387,27 48.971,26.416 88.316,26.416 v1(89.433,27.534)
OSC24M_IN: C44.1 U99.12 Y1.3 | length 7.2
  Top Layer w0.152: C44.1@36.34,27.7 Y1.3@37.8,27.7 38.239,27.261 38.239,26.861 38.4,26.7 39.962,26.7 41.262,28 U99.12@42.375,28
OSC24M_OUT: C45.1 U99.13 Y1.1 | length 5.5
  Top Layer w0.152: C45.1@39.4,23.9 Y1.1@39.4,25.5 39.4,25.625 39.899,26.124 40.024,26.124 41.4,27.5 U99.13@42.375,27.5
OSC32_IN: C17.1 U99.8 X9.2 | length 6.2
  Top Layer w0.152: C17.1@37.34,32.2 37.406,32.134 X9.2@39.093,32.134 39.305,31.922 39.305,31.495 40.8,30 U99.8@42.375,30
OSC32_OUT: C18.1 U99.9 X9.1 | length 5.1
  Top Layer w0.152: C18.1@37.34,29.6 37.356,29.584 X9.1@39.093,29.584 40.616,29.584 40.7,29.5 U99.9@42.375,29.5
QSPI_CLK: U10.6 U99.11 | length 44.2
  Top Layer w0.152: v1(41.149,28.5) U99.11@42.375,28.5
  Top Layer w0.203: v1(19.931,32.048) 19.935,32.044 U10.6@19.935,31.075
  Layer 2 w0.254: v1(19.931,32.048) 21.055,33.172 21.768,33.172 22.225,32.715 22.225,28.296 23.368,27.153 30.251,27.153 33.731,30.632 34.061,30.632 34.188,30.632 34.341,30.785 34.341,31.772 34.493,31.925 35.204,31.925 35.357,31.772 35.357,30.26 35.509,30.108 36.22,30.108 36.373,30.26 36.373,33.004 36.525,33.156 37.236,33.156 37.389,33.004 37.389,30.536 37.541,30.383 38.252,30.383 38.405,30.536 38.405,32.594 38.557,32.747 39.268,32.747 39.421,32.594 39.421,30.785 39.573,30.632 39.938,30.632 40.005,30.632 41.149,29.488 v1(41.149,28.5)
QSPI_CSn: R40.2 U10.1 U99.85 | length 57.4
  Top Layer w0.152: U99.85@51.5,35.125 51.5,33.869 v1(51.511,33.858)
  Top Layer w0.203: U10.1@17.395,23.325 17.395,22.356 v1(17.399,22.352)
  Top Layer w0.254: v1(17.399,22.352) 17.4,22.351 R40.2@17.4,20.95
  Layer 2 w0.254: v1(17.399,22.352) 20.066,25.019 20.066,30.607 19.304,31.369 19.304,33.172 20.218,34.087 22.762,34.087 22.911,33.938 22.911,28.956 24.003,27.864 29.134,27.864 36.271,35.001 50.368,35.001 v1(51.511,33.858)
QSPI_D0: U10.5 U99.16 | length 44.2
  Top Layer w0.152: v1(41.149,26) U99.16@42.375,26
  Top Layer w0.203: v1(21.201,32.048) 21.205,32.044 U10.5@21.205,31.075
  Layer 2 w0.254: v1(21.201,32.048) 21.201,27.964 22.901,26.264 33.061,26.264 33.325,26 33.771,26 33.974,26.203 33.974,26.879 34.177,27.082 34.787,27.082 34.99,26.879 34.99,26.203 35.193,26 35.803,26 36.006,26.203 36.006,28.889 36.209,29.092 36.819,29.092 37.022,28.889 37.022,25.584 37.225,25.381 37.835,25.381 38.038,25.584 38.038,29.799 38.241,30.002 38.851,30.002 39.054,29.799 39.054,25.584 39.257,25.381 39.867,25.381 40.07,25.584 40.07,25.797 40.273,26 40.4,26 v1(41.149,26)
QSPI_D1: U10.2 U99.17 | length 44.2
  Top Layer w0.152: U99.17@42.375,25.5 v1(43.6,25.5)
  Top Layer w0.203: U10.2@18.665,23.325 18.665,22.356 v1(18.669,22.352)
  Layer 2 w0.254: v1(18.669,22.352) 19.406,21.615 23.114,21.615 23.241,21.615 23.444,21.819 23.444,23.89 23.647,24.093 24.257,24.093 24.46,23.89 24.46,21.37 24.663,21.167 25.273,21.167 25.476,21.37 25.476,23.89 25.679,24.093 26.289,24.093 26.492,23.89 26.492,21.37 26.695,21.167 27.305,21.167 27.508,21.37 27.508,23.856 27.711,24.059 28.321,24.059 28.524,23.856 28.524,21.819 28.727,21.615 29.896,21.615 34.202,21.615 34.994,22.407 35.793,22.407 36.068,22.682 40.782,22.682 v1(43.6,25.5)
QSPI_D2: R38.1 U10.3 U99.18 | length 44.2
  Top Layer w0.152: v1(41.149,25) U99.18@42.375,25
  Top Layer w0.203: U10.3@19.935,23.325 19.935,22.356 v1(19.939,22.352)
  Top Layer w0.254: R38.1@19.9,20.8 19.9,22.313 v1(19.939,22.352)
  Layer 2 w0.254: v1(19.939,22.352) 22.587,25 28.592,25 28.719,25 28.922,25.203 28.922,25.416 29.126,25.619 29.735,25.619 29.938,25.416 29.938,22.563 30.142,22.36 30.751,22.36 30.954,22.563 30.954,25.416 31.158,25.619 31.767,25.619 31.97,25.416 31.97,22.563 32.174,22.36 32.783,22.36 32.986,22.563 32.986,25.416 33.19,25.619 33.799,25.619 34.002,25.416 34.002,24.323 34.206,24.12 34.815,24.12 35.018,24.323 35.018,25.416 35.222,25.619 35.831,25.619 36.034,25.416 36.034,23.703 36.238,23.5 36.847,23.5 37.05,23.703 37.05,24.797 37.254,25 40.919,25 v1(41.149,25)
QSPI_D3: R39.1 U10.7 U99.30 | length 44.5
  Top Layer w0.152: U99.30@46,19.875 v1(46,21.1)
  Top Layer w0.203: v1(18.661,32.048) 18.665,32.044 U10.7@18.665,31.075
  Top Layer w0.254: v1(18.661,32.048) 18.7,32.087 R39.1@18.7,32.9
  Layer 2 w0.254: v1(18.661,32.048) 18.661,26.662 16.535,24.536 16.535,21.539 17.475,20.599 34.486,20.599 34.994,21.107 35.415,21.107 35.422,21.1 v1(46,21.1)
RIGHT: D1.2 J2.6 U99.34 | length 55.7
  Top Layer w0.152: v1(47.244,22.504) 48,21.748 U99.34@48,19.875
  Layer 2 w0.254: v1(5.74,29.007) 10.82,23.927 11.836,23.927 16.815,18.948 36.297,18.948 36.906,19.558 45.263,19.558 46.542,20.838 46.542,21.294 46.482,21.354 46.482,22.174 46.812,22.504 v1(47.244,22.504)
  Bottom Layer w0.152: v1(5.74,29.007) 5.747,29 J2.6@8.05,29 D1.2@10.5,29
RS485_DE: R30.2 U4.2 U4.3 U99.67 | length 31.8
  Top Layer w0.152: v1(56.439,29.489) 56.449,29.5 U99.67@57.625,29.5 ; U4.2@80.675,31.075 80.675,29.846 80.819,29.702 v1(81.327,29.702) ; R30.2@81.3,28.8 81.3,29.675 v1(81.327,29.702) ; U4.3@81.325,31.075 81.325,29.704 v1(81.327,29.702)
  Bottom Layer w0.152: v1(56.439,29.489) 64.211,29.489 64.745,28.956 73.406,28.956 75.26,30.81 80.219,30.81 v1(81.327,29.702)
RS485_N: J5.2 R2.2 U4.7 | length 8.1
  Top Layer w0.127: U4.7@80.675,35.725 80.837,35.887 80.837,36.487 80.86,36.511 80.86,37.589 80.786,37.663 80.337,37.663 79.95,38.05 R2.2@79.95,38.2 79.95,38.35 80.337,38.737 80.786,38.737 80.899,38.85 80.899,39.103 80.696,39.306 v1(80.696,39.367)
  Bottom Layer w0.127: J5.2@80,41.75 80,41.491 80.437,41.054 80.786,41.054 80.86,40.98 80.86,39.632 80.696,39.468 v1(80.696,39.367)
RS485_P: J5.1 R2.1 U4.6 | length 8.1
  Top Layer w0.127: U4.6@81.325,35.725 81.164,35.887 81.164,36.487 81.14,36.511 81.14,37.589 81.214,37.663 81.663,37.663 82.05,38.05 R2.1@82.05,38.2 82.05,38.35 81.663,38.737 81.253,38.737 81.178,38.811 81.178,39.103 81.382,39.306 v1(81.382,39.367)
  Bottom Layer w0.127: v1(81.382,39.367) 81.382,39.421 81.14,39.663 81.14,40.98 81.214,41.054 81.563,41.054 82,41.491 J5.1@82,41.75
SPI2_MISO: J1.49 R29.1 U3.12 | length 7.8
  Bottom Layer w0.152: U3.12@68.25,8.275 68.25,6.909 68.91,6.248 69.24,6.248 70.002,5.486 70.002,4.022 J1.49@69,3.019 R29.1@69,1.769
SPI2_MISO_uC: U3.5 U99.53 | length 18.1
  Top Layer w0.152: U99.53@57.625,22.5 62.641,22.5 68.234,16.907 v1(68.234,13.183)
  Bottom Layer w0.152: v1(68.234,13.183) 68.25,13.166 U3.5@68.25,11.725
SPI2_MOSI: J1.51 U3.11 | length 8.3
  Bottom Layer w0.152: U3.11@68.75,8.275 68.75,7.12 69.266,6.604 71.349,6.604 72.034,5.918 72.034,4.054 J1.51@71,3.019
SPI2_MOSI_uC: U3.6 U99.54 | length 19.3
  Top Layer w0.152: U99.54@57.625,23 63.385,23 68.758,17.628 v1(68.758,14.3)
  Bottom Layer w0.152: U3.6@68.75,11.725 68.75,14.292 v1(68.758,14.3)
SPI2_SCK: J1.47 U3.13 | length 5.7
  Bottom Layer w0.152: J1.47@67,3.019 67.945,3.964 67.945,6.147 67.75,6.342 U3.13@67.75,8.275
SPI2_SCK_uC: U3.4 U99.52 | length 17
  Top Layer w0.152: U99.52@57.625,22 62,22 67.767,16.233 v1(67.767,14.3)
  Bottom Layer w0.152: U3.4@67.75,11.725 67.75,14.283 v1(67.767,14.3)
SWDCLK: J6.4 U99.77 | length 47.5
  Top Layer w0.152: v1(55.499,37.236) 55.5,37.235 U99.77@55.5,35.125 ; v1(90.907,23.724) 90.913,23.73 J6.4@92.965,23.73
  Bottom Layer w0.152: v1(55.499,37.236) 56.337,38.075 71.857,38.075 75.59,34.341 83.134,34.341 88.214,29.261 88.214,26.416 v1(90.907,23.724)
SWDIO: J6.2 U99.76 | length 46.1
  Top Layer w0.152: U99.76@56,35.125 56,36.518 v1(56.007,36.525) ; v1(90.907,22.454) 90.913,22.46 J6.2@92.965,22.46
  Bottom Layer w0.152: v1(56.007,36.525) 67.767,36.525 70.942,33.35 81.966,33.35 86.766,28.55 86.766,25.248 89.56,22.454 v1(90.907,22.454)
TAMPER_IO: J1.04 R7.1 U99.7 | length 43.4
  Top Layer w0.152: J1.04@23,5.019 23,7.49 24.282,8.772 24.282,17.45 32.893,26.06 32.893,29.94 36.1,33.147 40.081,33.147 40.462,32.766 40.462,31.115 v1(41.077,30.5) U99.7@42.375,30.5
  Bottom Layer w0.152: v1(41.077,30.5) 41.577,30 R7.1@42.375,30
UART1_RX: U8.4 U99.94 | length 26.2
  Top Layer w0.152: U99.94@47,35.125 47,28.692 53.238,22.454 55.042,22.454 56.157,21.338 56.157,20.989 56.66,20.487 57.506,19.641 57.506,18.97 59.75,16.725 59.776,16.725 59.904,16.598 v1(60,16.598)
  Bottom Layer w0.152: v1(60,16.598) U8.4@60,17.775
UART1_RX_CONN: J8.2 U8.11 | length 22.6
  Bottom Layer w0.152: U8.11@60,12.225 60,13.67 60.706,14.376 62.306,14.376 68.25,20.32 75.32,20.32 J8.2@77.5,22.5
UART1_TX: U8.3 U99.93 | length 22.4
  Top Layer w0.152: U99.93@47.5,35.125 47.5,31.418 56.2,22.718 56.2,21.758 57.206,20.752 57.455,20.752 v1(59.36,18.847)
  Bottom Layer w0.152: U8.3@59.35,17.775 59.35,18.837 v1(59.36,18.847)
UART1_TX_CONN: J8.1 U8.12 | length 20.9
  Bottom Layer w0.152: U8.12@59.35,12.225 59.35,13.935 60.325,14.91 61.62,14.91 69.211,22.5 J8.1@74.96,22.5
UART3_RX: U4.1 U99.50 | length 29.3
  Top Layer w0.152: U99.50@56,19.875 56.575,19.875 v1(56.6,19.9) ; v1@80.025,29.918 U4.1@80.025,31.075
  Bottom Layer w0.152: v1(56.6,19.9) 61.719,25.019 75.126,25.019 v1(80.012,29.905)
UART3_TX: U4.4 U99.47 | length 35.1
  Top Layer w0.152: v1(54.5,18.7) U99.47@54.5,19.875 ; v1(81.962,29.905) 81.975,29.918 U4.4@81.975,31.075
  Bottom Layer w0.152: v1(54.5,18.7) 56.851,18.7 57.683,19.533 60.173,19.533 64.897,24.257 77.419,24.257 81.962,28.8 v1(81.962,29.905)
uC_VBAT: C43.2 C47.2 D25.2 D26.2 R7.2 U99.6 | length 72.9
  Top Layer w0.152: U99.6@42.375,31 v1(43.7,31)
  Layer 2 w0.254: v1(43.7,31) 62.777,31 65.329,28.448 89.814,28.448 90.602,27.661 90.602,24.137 90.399,23.934 90.399,23.495 86.9,19.996 v1(86.9,11.7)
  Bottom Layer w0.152: R7.2@42.375,31 v1(43.7,31)
  Bottom Layer w0.254: v1(43.7,31) 43.706,30.994 44.342,30.994 C47.2@44.348,30.988 ; C43.2@86.1,11.7 v1(86.9,11.7) D26.2@87.85,11.7 D25.2@87.85,9.6
UP: D5.2 J2.2 U99.33 | length 51.2
  Top Layer w0.152: v1(47.5,18.649) U99.33@47.5,19.875
  Layer 2 w0.254: v1(5.74,21.007) 11.05,15.697 39.446,15.697 40.31,16.561 45.412,16.561 v1(47.5,18.649)
  Bottom Layer w0.152: v1(5.74,21.007) 5.747,21 J2.2@8.05,21 D5.2@10.5,21
USB_N: D24.2 J7.A7 J7.B7 U99.72 | length 21.5
  Top Layer w0.127: U99.72@57.625,32 56.897,32 56.787,32.11 56.295,32.11 55.821,32.584 55.821,33.416 57.684,35.279 65.679,35.279 67.86,37.46 67.86,38.42 67.7,38.58 67.7,38.949 ; 67.7,38.949 67.7,39.365 J7.A7@67.75,39.415 67.75,40.075 J7.B7@68.4,40.725
  Bottom Layer w0.127: J7.B7@68.4,40.725 68.4,40.597 68.5,40.497 D24.2@68.5,39.5
USB_P: D23.2 J7.A6 J7.B6 U99.73 | length 21.5
  Top Layer w0.127: U99.73@57.625,32.5 56.897,32.5 56.787,32.39 56.41,32.39 56.1,32.7 56.1,33.3 57.8,35 65.795,35 68.14,37.345 v1@68.14,38.817 ; v1(68.144,38.765) 68.197,38.817 68.197,39.362 J7.A6@68.25,39.415
  Bottom Layer w0.127: D23.2@67.5,39.5 67.5,40.497 67.6,40.597 J7.B6@67.6,40.6 ; J7.B6@67.6,40.725 J7.B6@67.6,40.6 ; v1(68.144,38.765) 68.134,38.774 68.134,40.066 68.001,40.2 J7.B6@67.6,40.6
VBUS: C41.2 D22.2 J7.A4 J7.A9 J7.B4 J7.B9 R35.1 U1.2 | length 12
  Top Layer w0.254: J7.A9@66.75,39.415 66.75,40.675 J7.B4@66.8,40.725 ; J7.B9@69.2,40.725 69.25,40.675 J7.A4@69.25,39.415 69.25,37.775 69.3,37.725 D22.2@69.3,37.6 C41.2@69.3,36.1 R35.1@69.3,35 U1.2@69.3,33.9
  Layer 2 w0.254: J7.B4@66.8,40.725 66.8,40.2 67.2,39.8 68.8,39.8 69.2,40.2 J7.B9@69.2,40.725
VBUS_DETECT: U1.4 U99.71 | length 10.8
  Top Layer w0.152: U99.71@57.625,31.5 68.2,31.5 U1.4@68.35,31.35
pads on no net: BT1. J3.9 J3.10 J6.6 J6.7 J6.8 J7. J7.A2 J7.A3 J7.A8 J7.A10 J7.A11 J7.B2 J7.B3 J7.B8 J7.B10 J7.B11 U1.1 U5.6 U5.9 U6.5 U6.8 U8.5 U8.6 U8.9 U8.10 U99.15 U99.19 U99.44 U99.45 U99.46 U99.55 U99.56 U99.57 U99.58 U99.59 U99.60 U99.61 U99.62 U99.68 U99.78 U99.79 U99.80 U99.81 U99.84 U99.86 X1.1 X3.1 X5.1 X8.1

## Polygon pours and split planes (outlines as drawn)
GND on Top Layer "GND_L01_P002" (solid, remove dead copper, pour order 2): 0,0.027 0.027,0 100,0 100,50 0,50
NetC1_2 on Top Layer "NETC1_2_L01_P001" (solid, pour order 1): 74,3 63,3 62,4 62,10.819 62.814,11.633 73.863,11.633 75,10.496 75,4
GND on Bottom Layer "GND_L06_P003" (solid, remove dead copper, pour order 3): 0,0 100,0 100,50 0,50
+3V3 on Layer 3 "+3V3_L04_P000" (solid, pour order 0): 0,0 100,0 100,50 0,50
GND on Layer 4 (split plane): 99.49,0.51 0.51,0.51 0.51,49.49 99.49,49.49
GND on Layer 1 (split plane): 99.49,0.51 0.51,0.51 0.51,49.49 99.49,49.49

## Silkscreen, mask and mechanical layers (free items; w line width, h text height)
Top Overlay:
  lines w0.254: 9,36 34,36 34,41 9,41 9,36
  text "SERIAL #" at 9,41.518 h1.52
  text "GND" at 79.5,19.717 h1.52
  text "TX" at 73.9,19.7 h1.52
  text "RX" at 76.7,19.7 h1.52
  text "SWD / CONNECTOR" at 89.8,18.8 h1.52
Bottom Overlay:
  text "CAN-BUS  / CONNECTOR" at 16.5,40 h1.52 r270
  text "RS485 / CONNECTOR" at 86,37.5 h1.52 r270
  text "LCD / CONNECTOR" at 61,36.5 h1.52 r270
  text "BUTTON  / CONNECTOR" at 13,35.5 h1.52
Mechanical 12:
  lines w0.254: 150,99 150,100 ; 0,0 0,50 100,50 100,0 0,0